# Allegro board BeagleBone_Black_RevB3_NO_LOGO.brd (continued)
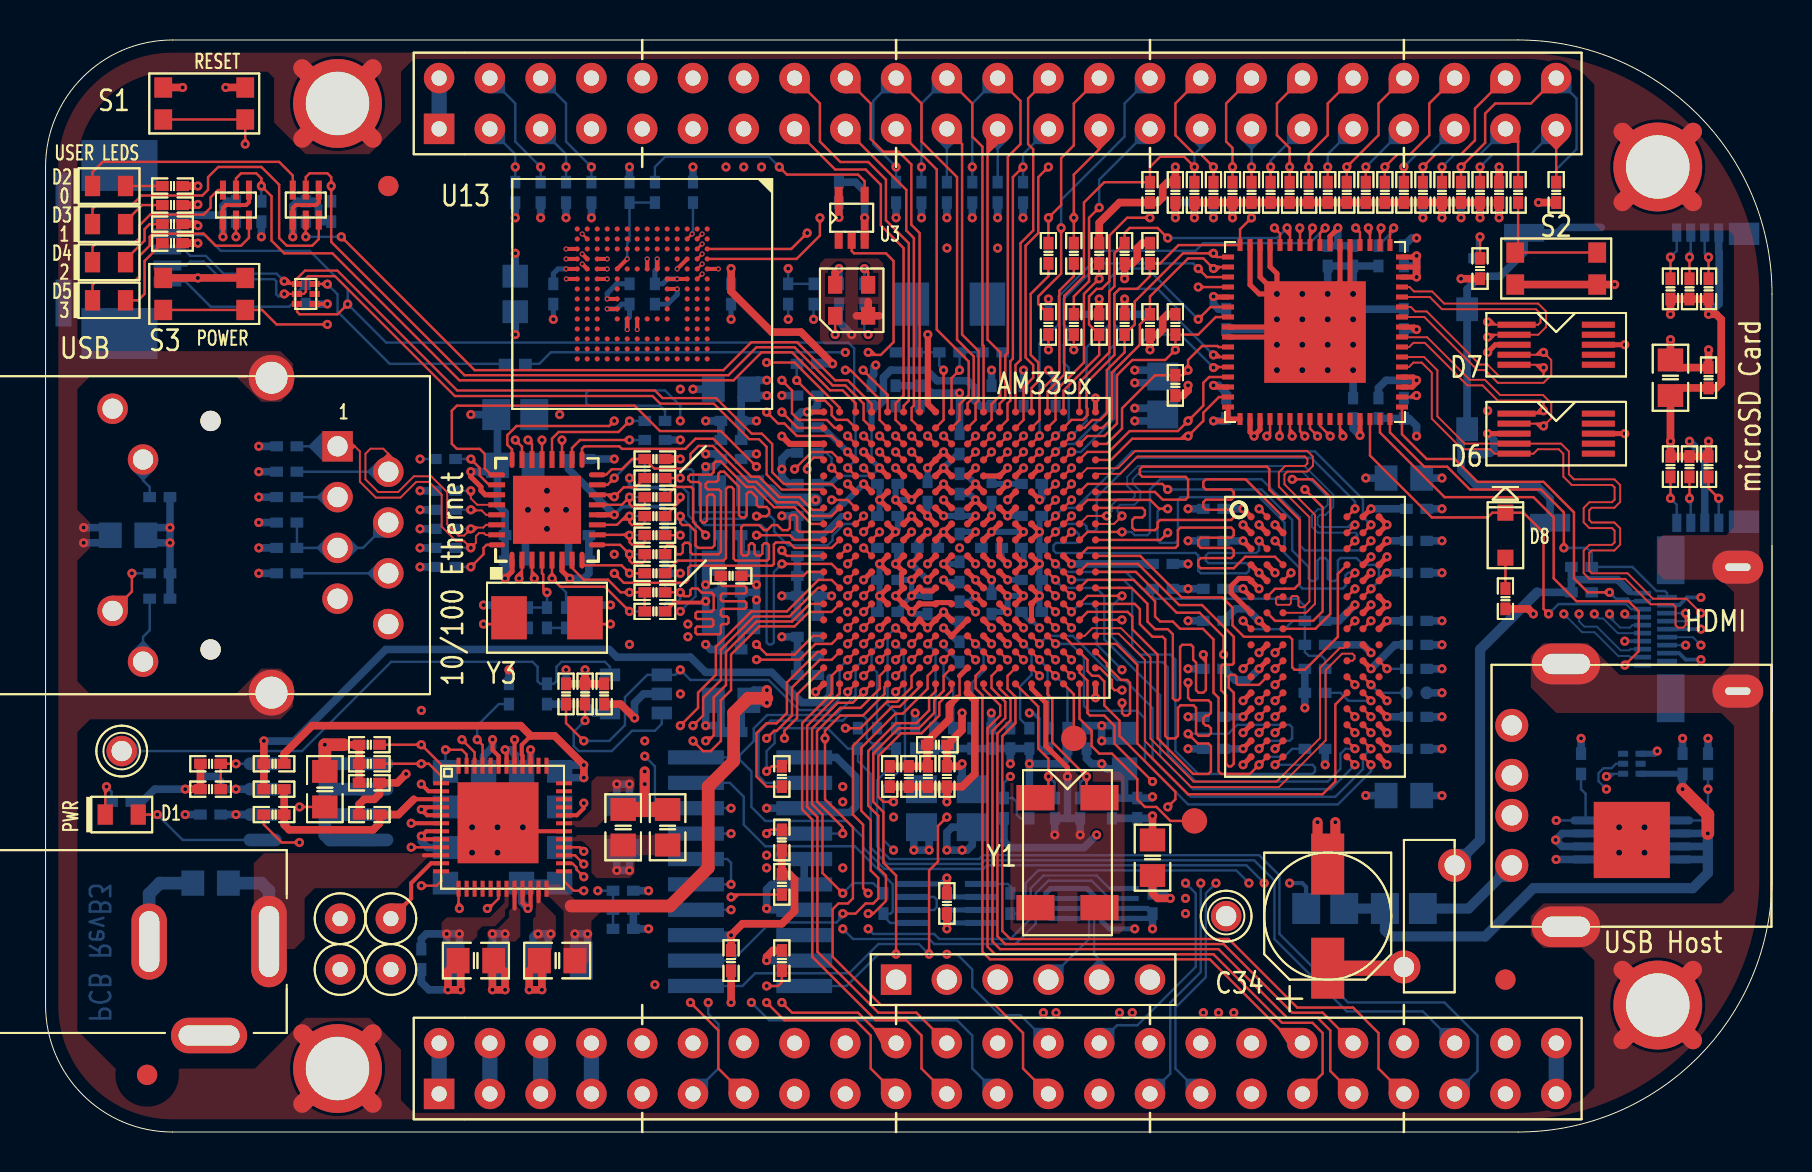
[diagram p0: board, top side]
## Routing (per net, layer and track width the routed paths; a pad name or vN(x,y) marks a point on that pad's centre or on a via; arc(x,y) is an arc through that point) (continued)
  LYR4 w0.381: v1(70.8,45.72) 70.17,45.09 70.17,39.56 73.34,36.39 73.34,22.29 75.18,20.45 82.4,20.45 v1(83.16,19.68)
  BOTTOM w0.254: U6.7 45.09,11.1 ; 45.09,11.1 45.09,10.45 ; 45.09,11.1 45.09,11.56 45.28,11.76 U6.6 ; 45.09,10.45 U6.8 ; 45.09,10.45 v1(45.09,10.16)
  BOTTOM w0.305: v1(40.92,32.41) 39.92,31.41 39.81,31.41 39.21,30.81 C87.1 ; v1(44.92,33.21) 45.61,33.9 C56.2 ; C72.2 45.43,25.5 v1(44.92,26.01) ; v1(41.72,28.41) 41.72,27.72 C60.2 41.72,27.5 v1(41.72,26.81) 41.72,26.12 C70.2 ; C66.1 42.63,30.12 v1(42.52,30.01)
  BOTTOM w0.381: R69.1 v1(70.8,45.72) ; R69.1 R68.1 R67.1 ; R69.1 R70.1 C61.2 v1(72.71,45.72) ; C73.2 49.83,31.72 v1(49.72,31.61) ; R1.1 v1(23.18,23.11) ; v1(36.08,37.59) 35.62,37.59 C77.1 ; C159.1 v1(39.69,43.18) ; C15.2 21.91,18.8 22.36,19.25 v1(22.36,19.62) ; R55.1 R59.1 R57.1 R58.1 R60.1 R61.1 R62.1 R63.1 R64.1 R65.1 R66.1 R67.1 ; R55.1 v1(58.42,45.72) ; R55.1 R56.1 C57.2 v1(56.52,45.72) ; R67.1 v1(68.9,45.72) ; R14.1 v1(30.16,12.06) ; C38.1 C67.1 ; C67.1 34.8,36.77 C77.1 ; C67.1 v1(35.56,35.56) ; v1(39.69,45.73) C158.1 ; C71.2 v1(36.83,36.83) ; C77.1 35.5,36.83 v1(36.08,36.83) ; v1(26.99,23.11) 26.99,21.4 ; 26.99,21.4 27.43,20.95 U7.4 ; 26.99,21.4 C152.1 R156.1 ; C59.1 v1(43.5,20.95) ; R52.1 v1(83.16,19.68)
VDD_3V3AUX: length 25.4
  TOP w0.121: C18.1 v1(18.8,18.41) 19.18,18.41 19.79,17.81 U2.1 ; D1.2 v1(5.59,15.88)
  LYR3 w0.133: v1(5.59,15.88) 5.59,17.02 6.35,17.78 10.54,17.78 11.18,18.41 v1(18.8,18.41)
  BOTTOM w0.121: v1(5.59,15.88) 6.86,14.61 10.86,14.61
VDD_3V3B: length 122.9
  TOP w0.203: U13.F5 v2(30.6,43.66) ; v2(26.04,44.16) U13.P3 ; U13.J10 v2(29.09,40.13) ; U13.N4 v2(26.85,43.91) ; v2(26.04,43.16) U13.P5 ; U13.C6 v2(31.6,42.66) U13.E6 ; U13.K9 v2(28.09,41.16) ; U13.M4 v2(28.09,43.66)
  TOP w0.254: U14.12 28,30.87 v1(28.45,30.87)
  TOP w0.381: 36.83,14.1 R23.1 37.21,12.89 37.47,12.64 37.47,11.05 36.83,10.41 34.86,10.41 v1(34.29,9.84) C29.1 ; v1(81.28,40.89) R150.1 R155.1 R151.1 v1(83.19,40.89) 83.57,40.89 83.82,40.64 83.82,37.46 83.57,37.21 C154.1 81.66,37.21 C153.1 v1(81.28,34.54) R154.1 R153.1 R152.1 v1(83.19,34.54) ; R119.1 v1(31.75,33.66) ; v1(39.37,38.42) 37.78,40.01 36.32,40.01 34.29,42.04 v1(34.29,43.18) ; v1(74.42,25.91) 74.17,26.16 R166.2 ; R157.2 v1(70.8,42.67)
  LYR3 w0.381: v1(34.29,9.84) 35.03,9.1 41.11,9.1 42.8,10.79 54.74,10.79 v1(55.37,10.16)
  LYR4 w0.381: v1(55.37,10.16) 52.58,12.95 v1(52.58,14.86)
  LYR5_PWR w0.889: P9.4 22.96,5.18 ; P9.4 21.49,3.71 ; P9.4 22.96,3.71 ; P9.4 21.49,5.18 ; 21.49,2.64 P9.3 22.96,2.64
  BOTTOM w0.191: R112.2 30.99,31.15 30.86,31.27 28.86,31.27 v1(28.45,30.87)
  BOTTOM w0.254: v2(31.6,42.66) 31.11,42.66 30.87,42.42 C129.1 30.48,43.06 30.6,43.18 v2(30.6,43.66) ; v2(28.09,41.16) 28.57,41.16 28.82,41.4 C128.1 29.21,40.76 29.09,40.64 v2(29.09,40.13) ; U15.7 55.11,11.18 C155.2 55.13,10.68 U15.8 ; C130.1 v1(34.29,43.18) ; v2(26.04,43.16) 25.63,43.16 25.4,42.93 C127.1
  BOTTOM w0.381: P2.5 v1(34.29,9.84) ; R106.1 v1(43.81,45.72) ; R101.1 v1(48.9,45.72) ; R114.2 R112.2 ; P10.4 83.7,43.99 83.71,43.97 83.71,41.42 v1(83.19,40.89) ; 10.86,17.14 v1(9.53,17.14) C20.1 8.76,17.53 8.51,17.78 8,17.78 7.75,18.03 R11.1 ; R105.1 v1(47.62,45.72) ; C135.1 26.16,33.15 v1(28.45,30.87) ; v1(52.58,14.86) 51.94,14.22 48.26,14.22 47.94,14.54 R163.1 ; R119.1 v1(31.75,33.66) ; R109.1 v1(42.55,45.72) ; R108.1 v1(24.77,45.72) ; R107.1 v1(23.5,45.72) ; C126.2 v1(23.5,43.94) ; v1(39.37,38.42) R158.1 ; R102.1 v1(46.35,45.72) ; R103.1 v1(26.04,45.72) ; R111.1 v1(29.21,48.26) ; R110.1 v1(45.09,45.72) ; R104.1 v1(27.3,45.72) ; C155.2 v1(55.37,10.16)
  BOTTOM w0.762: P9.3 P9.4
  vias: v1(25.72,35.88)
VDD_5V: length 25.5
  TOP w0.203: U2.10 18.92,13.84
  LYR4 w0.762: P1.1 11.18,6.73 11.81,6.1 23.11,6.1 P9.6
  BOTTOM w0.635: C2.2 10.79,12.45 11.18,12.06 P1.1
  BOTTOM w0.762: P9.5 P9.6
VDD_ADC: length 31.5
  TOP w0.254: v1(47.32,24.41) U5.D8
  TOP w0.381: v1(45.85,20.95) 45.84,20.95 45.84,20.09 R27.1 45.09,19.34 C93.1 45.72,18.29 v1(45.85,18.41)
  LYR3 w0.381: v1(45.85,20.95) 45.85,24.64 46.23,25.02 46.71,25.02 v1(47.32,24.41)
  LYR4 w0.381: v1(45.85,18.41) 45.85,17.65 54.1,9.4 56.13,9.4 57.15,8.38 57.15,5.08 P9.32
  BOTTOM w0.381: v1(45.85,18.41) 45.85,17.65 46.35,17.14 FB2.1
VDD_CORE: length 57.4
  TOP w0.254: U5.N12 v1(43.32,31.61) U5.N13 ; U5.M11 v1(44.92,30.81) ; U5.J12 v1(43.32,28.41) ; U5.G6 v1(48.92,26.81) U5.F6 ; U5.K6 v1(48.92,30.01) U5.L6 ; U5.N8 v1(46.52,32.41) U5.N9 ; U5.L7 v1(47.32,30.01) U5.K8 ; U5.H11 v1(44.12,27.61) ; U5.G10 v1(44.92,27.61) ; v1(48.12,26.81) U5.G7 ; v1(46.52,30.81) U5.L9 ; U5.F7 v1(48.12,26.01) ; v1(47.32,30.81) U5.L8 ; U5.K12 v1(44.12,30.01) ; U5.M13 v1(42.52,31.61)
  LYR4 w0.508: 32.13,25.15 31.5,25.15 31.11,24.77 31.11,23.37 30.73,22.99 30.73,19.18 31.11,18.8 31.11,14.99 v1(29.21,13.08) v1(28.57,13.08) ; 32.13,25.15 v1(32.13,24.77) ; 32.13,25.15 v1(32.13,25.4)
  BOTTOM w0.305: C50.1 47.43,26.01 v1(48.12,26.01) v1(48.12,26.81) v1(48.92,26.81) ; C49.1 45.03,27.5 v1(44.92,27.61) ; v1(46.52,30.81) 45.83,30.81 C47.1 45.61,30.81 v1(44.92,30.81) ; v1(48.92,30.01) v1(47.32,30.01) U5.K8 46.92,29.32 C48.1 ; C45.1 38.73,29.91 38.93,29.91 39.83,30.81 v1(40.12,30.81) ; C43.1 v1(47.32,30.81) ; v1(44.12,30.01) 43.61,29.5 C46.1 43.61,28.7 v1(43.32,28.41) v1(44.12,27.61) ; C41.1 42.52,32.3 v1(42.52,31.61) v1(43.32,31.61) ; C42.1 45.83,32.81 46.12,32.81 v1(46.52,32.41)
  BOTTOM w0.381: C44.1 C54.1 v1(39.32,26.81) ; C53.1 34.8,25.15 C39.2 ; C52.1 34.8,28.07 C40.2 ; C52.1 35.56,26.99 ; C52.1 34.8,25.91 C39.2 ; 35.56,26.99 v1(35.56,26.61) 35.56,25.91 C39.2 ; 35.56,26.99 v1(35.56,27.37) 35.56,28.07 C40.2 ; C51.1 34.8,28.83 C40.2 ; 29.21,13.78 L3.2 28.57,13.78 v1(28.57,13.08) v1(29.21,13.08) 29.21,13.78
VDD_MPU: length 34.3
  TOP w0.254: U5.F10 45.25,26.48 44.59,26.48 U5.F11 U5.F12 v1(43.32,26.01) U5.F13 v1(42.52,26.81) U5.G13 42.81,27.32 42.81,27.9 U5.H13 v1(42.52,28.41) U5.J13
  TOP w0.508: v1(36.08,21.46) v1(36.08,22.1)
  TOP w0.635: 26.29,11.3 31.24,11.3 33.15,13.21 33.15,17.27 34.42,18.54 34.42,20.95 35.15,21.69 36.08,21.69
  BOTTOM w0.305: C63.1 43.43,25.9 v1(43.32,26.01)
  BOTTOM w0.381: C65.1 42.63,28.52 v1(42.52,28.41) ; C62.2 35.31,21.46 v1(36.08,21.46) v1(36.08,22.1) 35.43,22.1 35.18,21.84 C62.2 ; C62.2 34.8,21.21 C64.1 ; v1(27.11,9.91) 27.11,8.89 L2.2 26.48,8.89 v1(26.48,9.91) v1(27.11,9.91)
VDD_MPUON: length 10.6
  TOP w0.121: U5.A2 51.72,20.67 52.32,20.07 52.32,19.3 52.7,18.92 53.34,18.92 54.61,17.65 54.61,16.64 54.99,16.26 55.57,16.26 56.27,15.56 TP2.1
VDD_PHYA: length 18.1
  TOP w0.254: U14.27 22,31.87 21.78,32.08 21.78,32.26 21.27,32.77 v1(21.27,33.02) ; U14.1 23.33,28.03 v1(22.99,27.69)
  BOTTOM w0.381: v1(21.27,33.02) 22.29,33.02 C133.2 ; R137.2 v1(10.67,29.21) ; R120.2 v1(18.73,29.21) ; C133.2 22.61,35.82 FB4.2 v1(21.27,35.88) ; C133.2 22.61,31.37 22.99,30.99 C132.1 C131.1 v1(22.99,27.69) ; R123.2 v1(18.73,32.07) ; R121.2 v1(18.73,30.16) ; R122.2 v1(18.73,31.11)
VDD_PLL: length 15
  TOP w0.254: U5.H15 v1(40.92,27.61) ; U5.R10 45.32,33.62 v1(44.92,34.01) U5.R11 v1(44.12,33.21) ; v1(48.12,25.21) U5.E7
  LYR3 w0.381: v1(38.52,31.61) 39.08,31.05 39.51,31.05 39.85,31.39 39.85,31.62 40.11,31.88 41.14,31.88 41.22,31.96 41.23,31.96 41.66,32.38 43.29,32.38 v1(44.12,33.21) v1(44.92,34.01)
  BOTTOM w0.305: C94.1 v1(44.12,33.21)
  BOTTOM w0.635: v1(38.52,31.61) 36.72,31.61 36.26,32.07 FB1.2
VDD_RTC: length 5.4
  TOP w0.254: v1(48.92,24.41) U5.D6
  BOTTOM w0.121: v1(48.92,24.41) 49.32,24.01 49.32,23.54 49.32,22.86 48.75,22.29 48.75,20.66 C104.1
VDDS: length 56.7
  TOP w0.254: U5.E6 v1(48.92,25.21) ; v1(41.72,33.21) U5.P14 ; v1(43.32,30.01) U5.K13 ; v1(46.52,33.21) U5.P9 ; U5.N6 v1(48.12,31.61) ; U5.E14 v1(41.72,25.21) ; v1(46.52,26.01) U5.F9
  TOP w0.381: R8.2 R9.1 v1(10.92,19.56)
  LYR5_PWR w0.305: v1(45.72,29.21) 45.41,29.52 43.81,29.52 v1(43.32,30.01)
  BOTTOM w0.121: 41.32,35.26 41.32,33.61 ; v1(41.72,33.21) 41.4,32.89 41.17,32.89 41.09,32.81 39.67,32.81
  BOTTOM w0.254: 39.67,32.81 39.27,32.41 C84.1 ; 41.32,33.61 v1(41.72,33.21)
  BOTTOM w0.305: C80.1 41.32,35.91 41.32,35.91 41.32,35.26
  BOTTOM w0.381: C81.1 46.76,36.3 46.48,36.58 46.48,37.21 46.12,37.57 44.6,37.57 44.07,38.1 42.28,38.1 41.91,37.73 41.91,36.58 41.64,36.3 C80.1 ; v1(10.92,19.56) 10.93,19.55 12.44,19.55 17.02,24.13 28.19,24.13 28.57,23.75 32.26,23.75 33.02,22.99 36.32,22.99 37.83,21.48 38.88,21.48 39.24,21.84 39.24,22.73
  vias: v1(40.12,26.01)
VDDS_DDR: length 56.4
  TOP w0.254: v1(67.1,27.97) U12.E9 ; v1(59.9,27.17) U12.F1 ; v1(67.1,29.57) U12.C9 ; U5.K5 v1(49.72,30.01) U5.L5 ; v1(60.7,30.37) U12.B2 ; U5.H5 v1(49.72,28.41) U5.J5 ; v1(65.5,26.37) U12.G7 ; v1(66.3,31.17) U12.A8 ; U5.G5 v1(49.72,26.81) U5.F5 U5.E5 ; v1(59.9,20.76) U12.N1 ; v1(67.1,28.77) U12.D9 ; v1(61.5,27.97) U12.D2 ; v1(67.1,25.57) U12.H9 ; v1(59.9,31.17) U12.A1 ; v1(60.7,23.16) U12.K2 ; v1(59.9,29.57) U12.C1 ; v1(66.3,23.16) U12.K8 ; v1(67.1,20.76) U12.N9 ; v1(60.7,25.57) U12.H2 ; v1(59.9,19.16) U12.R1 ; v1(67.1,19.16) U12.R9
  TOP w0.381: C96.2 v1(55.37,15.81) ; v1(20.76,7.11) v1(20.13,7.11) 20.13,8.06 C9.2 20.76,8.45 v1(20.76,7.11)
  BOTTOM w0.305: C97.1 49.72,30.7 v1(49.72,30.01) 49.72,29.32 C98.1 49.72,29.1 v1(49.72,28.41) 49.72,27.72 C99.1 49.72,27.5 v1(49.72,26.81) 49.72,26.12 C100.1
  BOTTOM w0.381: C101.1 52.2,20.32 v1(52.83,20.32) ; C113.1 v1(59.9,19.16) ; v1(67.1,20.76) C120.1 ; v1(67.1,27.97) C116.1 ; C118.2 v1(66.04,32.7) ; v1(59.9,20.76) C112.1 ; R6.2 18.8,7.49 19.18,7.11 v1(20.13,7.11) v1(20.76,7.11) ; R98.1 64.7,25.57 v1(65.5,26.37) ; C114.1 v1(66.3,31.17) ; v1(60.7,25.57) 60.1,26.16 59.52,26.16 C110.1 ; R97.1 v1(64.01,18.36) ; v1(55.37,15.81) 55.24,15.68 C103.1 C102.1 ; v1(66.3,23.16) 67.5,24.36 C119.1 ; v1(59.9,29.57) C108.1 ; v1(67.1,29.57) C115.1 ; v1(52.83,20.32) v1(52.83,19.56) 53.59,19.56 C95.2 53.59,20.32 v1(52.83,20.32) ; v1(60.7,23.16) 60.14,22.61 59.49,22.61 C111.1 ; C109.1 v1(59.9,27.17) ; v1(67.1,19.16) C121.1 ; C122.2 v1(66.04,16.83) ; C107.1 v1(59.9,31.17) ; v1(67.1,25.57) C117.1
  vias: v1(49.91,5.97) v1(50.55,5.97) v1(53.72,5.97) v1(54.36,5.97) v1(57.91,5.97) v1(58.67,5.97) v1(59.44,5.97)
12M_LOOP: length 2.9
  BOTTOM w0.121: U6.3 44.45,11.76 44.58,11.63 44.58,11.23 44.45,11.1 U6.2
12MHZ: length 50.9
  TOP w0.121: U11.27 64.75,34.95 v1(64.9,34.8)
  LYR4 w0.133: v1(60.2,12.45) 61.98,14.22 66.36,14.22 69.41,17.27 70.48,17.27 71.37,18.16 71.37,33.15 69.22,35.31 65.41,35.31 v1(64.9,34.8)
  BOTTOM w0.121: v1(60.2,12.45) 59.56,13.08 49.66,13.08 49.02,12.45 49.02,11.18 48.77,10.92 R21.2
AIN0: length 38.3
  TOP w0.121: P9.39 66.67,3.17 66.67,4.95 65.41,6.22 62.61,6.22 59.18,9.65 48.26,9.65 47.86,10.05 47.86,19.79 48.51,20.45 48.51,21.77 48.12,22.16 48.12,22.81 U5.B6
AIN1: length 31.2
  TOP w0.121: v1(48.12,23.61) U5.C7
  LYR4 w0.133: v1(48.12,23.61) 48.51,23.22 48.51,20.95 51.28,18.19 51.29,18.19 51.56,17.91 51.56,17.53 54.1,14.99 54.1,12.7 60.71,6.1 66.29,6.1 P9.40
AIN2: length 36.8
  TOP w0.121: P9.37 64.26,3.05 64.26,5.08 63.63,5.71 62.1,5.71 58.67,9.14 47.75,9.14 47.36,9.53 47.36,20.06 48.01,20.7 48.01,21.51 47.32,22.2 47.32,22.81 U5.B7
AIN3: length 33.1
  TOP w0.121: P9.38 63.88,5.97 62.36,5.97 58.93,9.4 48.01,9.4 47.61,9.79 47.61,19.93 48.27,20.58 48.27,21.63 47.72,22.18 U5.A7
AIN4: length 28.7
  TOP w0.121: U5.C8 v1(47.32,23.61)
  LYR4 w0.133: v1(47.32,23.61) 48.13,22.8 48.13,20.83 50.67,18.29 50.67,17.56 53.72,14.52 53.72,12.57 61.59,4.7 61.59,3.17 P9.33
AIN5: length 32.4
  TOP w0.121: P9.36 62.43,4.45 58.24,8.64 47.24,8.64 46.86,9.02 46.86,21.84 46.52,22.19 46.52,22.81 U5.B8
AIN6: length 35.8
  TOP w0.121: P9.35 63.88,2.92 63.88,4.95 63.37,5.46 61.85,5.46 58.42,8.89 47.5,8.89 47.12,9.27 47.12,20.19 47.75,20.83 47.75,21.34 46.92,22.17 U5.A8
AIN7: length 10.4
  TOP w0.121: U5.C9 v1(46.52,23.61)
  LYR4 w0.133: v1(46.52,23.61) 47.75,22.38 47.75,18.29 v1(48.26,17.78)
  BOTTOM w0.121: v1(48.26,17.78) 47.94,17.46 R163.2 48.39,16.7 48.58,16.51 48.58,15.88 48.77,15.68 R164.1
B_UART0_RX: length 5.3
  BOTTOM w0.121: J1.4 52.2,9.65 52.2,10.92 51.94,11.18 U15.2
B_UART0_TX: length 5.2
  BOTTOM w0.121: U15.3 51.95,11.68 52.45,11.18 52.45,8.89 52.7,8.64 J1.5
CAP_VBB_MPU: length 4.2
  TOP w0.121: U5.C10 44.93,23.62 v1(44.92,23.61)
  BOTTOM w0.121: C91.1 45.4,22.42 44.92,22.9 v1(44.92,23.61)
CAP_VDD_SRAM_CORE: length 5.2
  TOP w0.121: U5.D9 v1(46.52,24.41)
  BOTTOM w0.121: C89.1 46.35,22.48 46.92,23.04 46.92,24.01 v1(46.52,24.41)
CAP_VDD_SRAM_MPU: length 5
  TOP w0.121: v1(44.12,24.41) U5.D11
  BOTTOM w0.121: C90.1 44.52,20.26 44.52,24.01 v1(44.12,24.41)
CLKOUT2: length 57.6
  BOTTOM w0.121: P9.41 71.63,3.05 71.63,4.83 69.98,6.48 65.15,6.48 61.72,9.91 61.72,12.83 60.71,13.84 46.89,13.84 46.7,13.65 42.23,13.65 41.59,14.29 41.59,17.59 42.55,18.54 R20.1 R19.2 41.08,19.68 41.08,20.64 40.89,20.83 40.13,20.83 39.88,20.57 36.26,20.57 35.67,19.98 35.67,17.8 36,17.46 P2.18
CLKOUT_SRC: length 5.1
  TOP w0.121: U5.D14 v1(41.72,24.41)
  BOTTOM w0.121: v1(41.72,24.41) 41.32,24.01 41.32,23.26 41.59,22.99 R19.1
CRS: length 2.8
  TOP w0.121: U14.14 28.35,31.87 v1(28.45,31.76) 28.92,32.24 29.51,32.24 R139.2
DDR_A0: length 23.9
  TOP w0.121: U5.F3 v1(51.32,26.01) ; v1(61.5,20.76) U12.N3
  LYR3 w0.133: v1(61.5,20.76) 61.82,21.08 61.98,21.08 62.36,20.7 62.36,17.91 61.59,17.14 57.02,17.14 54.86,19.3 54.86,19.56 53.21,21.21 53.21,22.99 53.34,23.11 v1(53.85,23.11)
  BOTTOM w0.121: v1(51.32,26.01) 51.73,26.42 52.32,26.42 52.58,26.16 52.58,24.38 v1(53.85,23.11)
DDR_A1: length 24.1
  TOP w0.121: v1(58.93,23.88) 58.93,24.77 57.72,25.97 56.58,25.97 54.54,28.01 U5.H1 ; v1(65.5,19.96) U12.P7
  LYR3 w0.121: 61.67,23.57 60.5,23.57 60.2,23.87
  LYR3 w0.133: v1(65.5,19.96) 65.14,20.32 64.9,20.32 64.77,20.19 64.77,19.68 64.64,19.56 64.39,19.56 64.26,19.68 64.26,20.19 64.14,20.32 64.01,20.32 63.88,20.19 63.88,19.3 64.01,19.18 64.39,19.18 64.52,19.05 64.52,18.9 64.39,18.77 63.63,18.77 63.5,18.9 63.5,20.45 63.88,20.83 63.88,21.84 62.61,23.11 62.23,23.11 61.78,23.57 61.67,23.57 ; v1(58.93,23.88) 58.93,23.87 60.2,23.87
DDR_A2: length 23.9
  TOP w0.121: U5.E4 v1(50.52,25.21) ; v1(61.5,19.96) U12.P3
  LYR3 w0.121: 61.1,22.09 61.1,20.36 v1(61.5,19.96)
  LYR3 w0.133: 61.1,22.09 60.83,22.35 59.44,22.35 59.05,21.97 56.77,21.97 56.64,22.1 56.64,23.5 56.77,23.62 57.4,23.62 57.51,23.72 57.51,24.16 57.4,24.26 56.77,24.26 56.64,24.38 56.64,25.4 54.72,27.32 54.5,27.32 54.26,27.08 54.26,26.9 55.12,26.04 55.12,25.15 54.36,24.38 51.12,24.38 50.52,24.98 v1(50.52,25.21)
DDR_A3: length 24
  TOP w0.121: v1(60.7,20.76) U12.N2 ; v1(51.32,23.61) U5.C3
  LYR3 w0.121: 59.61,21.16 60.3,21.16 v1(60.7,20.76)
  LYR3 w0.133: 59.61,21.16 59.56,21.21 56.01,21.21 55.88,21.34 55.88,24.43 55.8,24.51 55.58,24.51 55.5,24.43 55.5,22.2 55.42,22.12 55.07,22.12 54.99,22.05 54.99,21.67 54.91,21.59 54.69,21.59 54.61,21.67 54.61,22.05 54.53,22.12 54.37,22.12 54.29,22.2 54.29,22.4 54.37,22.48 55.04,22.48 55.12,22.56 55.12,22.78 55.04,22.86 54.37,22.86 54.29,22.94 54.29,23.16 54.37,23.24 55.04,23.24 55.12,23.32 55.12,23.53 55.04,23.61 52.96,23.61 52.83,23.48 52.83,22.35 52.7,22.23 52.45,22.23 52.32,22.35 52.32,23.48 52.2,23.61 v1(51.32,23.61)
DDR_A4: length 23.9
  TOP w0.121: v1(66.3,19.96) U12.P8 ; v1(56.13,16.26) 56.52,16.64 56.52,17.02 53.72,19.81 53.72,20.57 52.96,21.34 52.96,22.53 52.68,22.81 52.36,22.81 52.12,23.05 52.12,23.61 U5.C2
  LYR3 w0.121: 65.28,19.56 65.9,19.56 v1(66.3,19.96)
  LYR3 w0.133: 65.28,19.56 65.02,19.3 65.02,17.02 64.77,16.76 63.12,16.76 62.36,16 56.39,16 v1(56.13,16.26)
DDR_A5: length 23.9
  TOP w0.121: U5.B1 52.74,23.21 53.34,22.61 53.34,22.23 53.47,22.1 v1(53.85,22.1) ; v1(60.7,19.96) U12.P2
  LYR3 w0.121: 61.09,18.16 61.1,18.17 61.1,19.56 v1(60.7,19.96)
  LYR3 w0.133: v1(53.85,22.1) 54.29,21.65 54.29,21.2 54.54,20.95 55.17,20.95 55.24,21.03 55.24,21.64 55.32,21.72 55.55,21.72 55.63,21.64 55.63,19.68 55.75,19.56 56.01,19.56 56.13,19.68 56.13,20.7 56.26,20.83 56.52,20.83 56.64,20.7 56.64,18.54 56.9,18.29 57.53,18.29 57.66,18.41 57.66,20.7 57.78,20.83 59.18,20.83 59.31,20.7 59.31,18.03 59.44,17.91 60.83,17.91 61.09,18.16
DDR_A6: length 24.1
  TOP w0.121: v1(66.3,19.16) U12.R8 ; v1(49.72,24.41) U5.D5
  BOTTOM w0.121: v1(49.72,24.41) 50.12,24.81 51.39,24.81 53.59,22.61 53.98,22.61 55.37,21.21 55.37,18.67 57.28,16.76 64.52,16.76 65.9,18.15 65.9,18.76 v1(66.3,19.16)
DDR_A7: length 24.1
  TOP w0.121: v1(57.15,19.91) 57.63,19.43 58.17,19.43 58.29,19.3 58.29,18.03 58.17,17.91 57.4,17.91 55.63,19.68 55.63,23.88 54.36,25.15 54.36,25.78 54.13,26.01 52.12,26.01 U5.E2 ; v1(60.7,19.16) U12.R2
  BOTTOM w0.121: v1(60.7,19.16) U12.R2 62.23,19.56 62.36,19.69 62.36,20.24 62.23,20.36 59.61,20.36 59.16,19.91 v1(57.15,19.91)
DDR_A8: length 23.9
  TOP w0.121: v1(50.52,24.41) U5.D4 ; v1(66.3,18.36) U12.T8
  BOTTOM w0.121: v1(50.52,24.41) 51.28,24.41 51.94,23.75 51.94,21.31 52.19,21.06 54.61,21.06 54.99,20.68 54.99,18.54 57.15,16.38 64.64,16.38 66.3,18.04 v1(66.3,18.36)
DDR_A9: length 24
  TOP w0.121: v1(53.85,21.46) 53.85,20.95 53.97,20.83 54.13,20.83 54.25,20.95 54.25,22.46 54.1,22.61 53.79,22.61 53.09,23.31 53.09,23.44 U5.C1 ; v1(61.5,19.16) U12.R3
  LYR3 w0.133: v1(61.5,19.16) 61.5,19.43 61.63,19.56 61.85,19.56 61.98,19.43 61.98,18.03 61.47,17.53 58.93,17.53 58.8,17.65 58.8,20.32 58.67,20.45 58.29,20.45 58.17,20.32 58.17,17.65 58.04,17.53 57.15,17.53 55.24,19.43 55.24,20.32 54.99,20.57 54.36,20.57 53.85,21.08 v1(53.85,21.46)
DDR_A10: length 24
  TOP w0.121: U5.F4 v1(50.52,26.01) ; v1(65.5,22.36) U12.L7
  LYR3 w0.121: 51.68,26.41 50.92,26.41 v1(50.52,26.01)
  LYR3 w0.133: 51.68,26.41 52.2,26.92 52.2,28.32 52.58,28.71 55.75,28.71 56.83,27.62 57.72,27.62 59.31,26.04 62.36,26.04 64.39,24 65.66,24 65.79,23.88 65.79,23.62 65.66,23.5 64.77,23.5 64.64,23.37 64.64,23.11 64.77,22.99 65.66,22.99 65.79,22.86 65.79,22.65 v1(65.5,22.36)
DDR_A11: length 23.9
  TOP w0.121: v1(53.85,26.81) 52.12,26.81 U5.F2 ; v1(65.5,19.16) U12.R7
  BOTTOM w0.121: v1(53.85,26.81) 53.34,26.3 53.34,24.77 54.61,23.5 55.88,23.5 56.13,23.24 56.13,18.92 57.53,17.53 64.14,17.53 64.77,18.16 64.77,18.91 65.02,19.16 v1(65.5,19.16)
DDR_A12: length 24.1
  TOP w0.121: v1(65.5,20.76) U12.N7 ; v1(51.32,25.21) U5.E3
  LYR3 w0.133: v1(51.32,25.21) 51.38,25.15 54.1,25.15 54.36,25.4 54.36,25.78 54.1,26.04 53.21,26.04 52.96,26.29 52.96,27.69 53.21,27.94 55.12,27.94 56.64,26.42 57.91,26.42 59.56,24.77 61.22,24.77 61.47,25.02 62.23,25.02 63.88,23.37 63.88,22.38 v1(65.5,20.76)
DDR_A13: length 24
  TOP w0.121: v1(61.5,18.36) U12.T3 ; U5.H3 v1(51.32,27.61)
  BOTTOM w0.121: v1(61.5,18.36) 63.37,18.36 63.5,18.24 63.5,18.03 63.37,17.91 57.66,17.91 56.52,19.05 56.52,23.62 56.26,23.88 54.74,23.88 54.36,24.26 54.36,27.18 53.92,27.61 v1(51.32,27.61)
DDR_A14: length 24
  TOP w0.121: v1(65.5,18.36) U12.T7 ; v1(50.52,27.61) U5.H4
  BOTTOM w0.121: v1(65.5,18.36) 64.28,17.14 57.4,17.14 55.75,18.8 55.75,21.84 52.96,24.64 52.96,26.8 52.55,27.21 50.9,27.21 50.52,27.58 v1(50.52,27.61)
DDR_A15: length 24.1
  TOP w0.121: U5.D3 51.32,24.41 53.57,24.41 54.61,23.37 54.61,19.43 57.15,16.89 63.88,16.89 64.52,17.53 64.52,21.38 U12.M7
DDR_BA0: length 24.1
  TOP w0.121: U5.C4 v1(50.52,23.61) ; v1(60.7,21.56) U12.M2
  LYR3 w0.121: v1(50.52,23.61) 50.25,23.61 50.12,23.48 50.12,22.48 ; 50.92,23.74 50.92,22.48
  LYR3 w0.133: 50.12,22.48 50.12,21.46 50.25,21.34 50.42,21.34 50.55,21.46 50.55,21.84 50.67,21.97 50.93,21.97 51.05,21.84 51.05,21.46 51.18,21.34 51.44,21.34 51.56,21.46 51.56,22.23 51.44,22.35 51.05,22.35 50.92,22.48 ; 50.92,23.74 50.92,23.89 51.05,24.02 54.5,24.02 55.5,25.02 55.5,25.65 55.6,25.75 55.78,25.75 56.26,25.27 56.26,21.97 56.64,21.59 59.18,21.59 59.56,21.97 60.57,21.97 60.7,21.84 v1(60.7,21.56)
DDR_BA1: length 24.1
  TOP w0.121: U5.E1 v1(53.85,25.61) ; v1(66.3,20.76) U12.N8
  LYR3 w0.133: v1(53.85,25.61) 52.62,25.61 52.32,25.91 52.32,26.29 52.58,26.54 52.58,28.07 52.83,28.32 55.37,28.32 56.93,26.76 58.08,26.76 59.69,25.15 61.09,25.15 61.21,25.27 61.21,25.53 61.34,25.65 62.1,25.65 64.23,23.52 64.23,22.63 65.05,21.82 65.66,21.82 65.82,21.65 65.82,21.24 v1(66.3,20.76)
DDR_BA2: length 24.1
  TOP w0.121: v1(51.32,22.81) U5.B3 ; v1(61.5,21.56) U12.M3
  LYR3 w0.133: v1(61.5,21.56) 61.98,21.56 62.1,21.69 62.1,22.1 62.23,22.23 62.48,22.23 62.74,21.97 62.74,21.59 62.48,21.34 62.48,21.08 62.74,20.83 62.74,17.53 61.98,16.76 56.9,16.76 54.48,19.18 54.48,19.43 52.7,21.21 52.51,21.21 52.39,21.08 52.39,20.83 52.26,20.7 52.07,20.7 51.94,20.83 51.94,22.99 51.82,23.11 51.63,23.11 v1(51.32,22.81)
DDR_CASN: length 24
  TOP w0.121: v1(57.15,22.48) 57.15,21.72 57.28,21.59 58.17,21.59 58.29,21.46 58.29,20.95 58.17,20.83 58.04,20.83 57.91,20.7 57.91,20.45 58.04,20.32 58.17,20.32 58.29,20.19 58.29,19.94 58.17,19.81 57.68,19.81 57.55,19.94 57.55,21.21 57.42,21.34 56.77,21.34 56.64,21.21 56.64,19.81 56.52,19.68 56.13,19.68 56.01,19.81 56.01,24.64 55.88,24.77 55.37,24.77 54.74,25.4 54.74,26.16 54.48,26.41 U5.F1 ; v1(61.5,23.16) U12.K3
  LYR3 w0.133: v1(61.5,23.16) 61.07,22.73 59.31,22.73 59.05,22.48 v1(57.15,22.48)
DDR_CKE: length 25.1
  TOP w0.121: v1(67.1,23.16) U12.K9 ; U5.G3 v1(51.32,26.81)
  LYR3 w0.133: v1(67.1,23.16) 67.31,23.37 67.31,24.26 67.18,24.38 64.64,24.38 62.61,26.42 59.44,26.42 57.91,27.94 57.02,27.94 55.88,29.08 53.21,29.08 52.83,29.46 51.18,29.46 51.05,29.34 51.05,29.08 51.18,28.96 51.69,28.96 51.82,28.83 51.82,27.3 v1(51.32,26.81)
  BOTTOM w0.121: R96.2 v1(67.1,23.16)
DDR_CLK: length 24
  TOP w0.095: U12.J7 64.94,24.2 64.74,24.2 63.75,23.22 63.75,19.7 61.58,17.53 57.42,17.53 55.27,19.67 55.27,23.72 53.8,25.2 52.36,25.2 51.98,24.81 U5.D2
DDR_CLKN: length 24
  TOP w0.095: U5.D1 52.63,24.92 53.68,24.92 54.99,23.61 54.99,19.56 57.3,17.25 61.7,17.25 64.03,19.58 64.03,23.1 64.85,23.92 65.37,23.92 65.48,23.82 65.48,23.67 65.37,23.56 U12.K7
DDR_CSN: length 23.9
  TOP w0.121: U5.H2 52.12,28.41 54.65,28.41 56.71,26.35 57.85,26.35 59.44,24.77 59.44,23.44 59.36,23.37 58.88,23.37 58.8,23.29 58.8,22.09 59.05,21.84 59.05,18.41 59.18,18.29 59.31,18.29 59.44,18.41 59.44,21.97 59.18,22.23 59.18,22.78 59.26,22.86 59.49,22.86 59.56,22.78 59.56,22.44 59.64,22.36 60.7,22.36 U12.L2
DDR_D0: length 23.3
  TOP w0.121: v1(62.3,27.97) U12.E3 ; v1(51.32,31.61) U5.M3
  LYR3 w0.133: v1(51.32,31.61) 51.68,31.61 52.96,32.89 60.45,32.89 63.75,29.59 63.75,27.43 63.63,27.3 63.12,27.3 62.99,27.43 62.99,29.72 62.87,29.84 62.43,29.84 62.3,29.72 v1(62.3,27.97)
DDR_D1: length 23.3
  TOP w0.121: v1(65.5,27.17) U12.F7 ; v1(50.52,31.61) U5.M4
  LYR3 w0.121: v1(50.52,31.61) 50.92,31.21 50.92,30.64 51.16,30.41 52.78,30.41 ; v1(65.5,27.17) 65.9,26.77 66.47,26.77 66.7,26.53 66.7,25.74 66.7,25.39 66.47,25.16
  LYR3 w0.133: 52.78,30.41 53.72,29.46 56.26,29.46 56.77,28.96 57.4,28.96 59.6,26.76 62.9,26.76 64.89,24.77 66.08,24.77 66.47,25.16
DDR_D2: length 23.3
  TOP w0.121: U12.F2 61.5,27.17 61.98,27.17 61.98,27.17 62.47,27.17 62.73,27.43 62.73,30.61 61.21,32.13 61.21,33.15 61.09,33.27 54.86,33.27 54.74,33.15 54.74,32.89 54.86,32.77 57.02,32.77 57.15,32.64 57.15,31.75 57.02,31.62 55.88,31.62 55.49,32.01 U5.N1
DDR_D3: length 23.3
  TOP w0.121: v1(66.3,27.17) U12.F8 ; U5.N2 52.12,32.41 55.86,32.41 v1(56.13,32.13)
  BOTTOM w0.121: v1(66.3,27.17) 66.7,27.57 66.7,28.17 66.5,28.37 65.91,28.37 65.58,28.7 64.77,28.7 64.64,28.57 64.64,27.69 64.52,27.56 64.26,27.56 64.14,27.69 64.14,28.57 64.01,28.7 63.75,28.7 63.63,28.57 63.63,27.69 63.5,27.56 63.31,27.56 63.18,27.69 63.18,28.26 62.36,29.08 62.36,30.61 60.83,32.13 v1(56.13,32.13)
DDR_D4: length 23.3
  TOP w0.121: v1(62.36,32.64) 63.37,32.64 64.26,31.75 64.26,25.91 63.52,25.17 U12.H3 ; U5.N3 v1(51.32,32.41)
  LYR3 w0.133: v1(51.32,32.41) 51.33,32.41 52.58,33.66 61.34,33.66 v1(62.36,32.64)
DDR_D5: length 23.3
  TOP w0.121: v1(66.3,25.57) U12.H8 ; U5.N4 v1(50.52,32.41)
  LYR3 w0.121: v1(50.52,32.41) 50.92,32.01 51.57,32.01
  LYR3 w0.133: v1(66.3,25.57) 65.88,25.15 65.15,25.15 64.26,26.04 64.26,29.72 60.71,33.27 52.83,33.27 51.57,32.01
DDR_D6: length 23.3
  TOP w0.121: v1(62.99,32.13) 63.88,31.24 63.88,26.04 63.41,25.56 61.5,25.56 U12.G2 ; U5.P3 v1(51.32,33.21)
  LYR3 w0.133: v1(62.99,32.13) 62.99,32.64 61.59,34.04 52.45,34.04 51.63,33.21 v1(51.32,33.21)
DDR_D7: length 23.3
  TOP w0.121: U5.P4 v1(50.52,33.21) ; v1(65.5,25.57) U12.H7
  LYR3 w0.121: 51.52,33.61 50.92,33.61 v1(50.52,33.21)
  LYR3 w0.133: 51.52,33.61 52.3,34.39 61.87,34.39 64.77,31.5 64.77,26.3 v1(65.5,25.57)
DDR_D8: length 20.3
  TOP w0.121: U12.D7 64.64,27.91 64.64,24.77 62.99,23.11 62.48,23.11 62.36,23.24 62.36,24.64 62.23,24.77 59.94,24.77 59.37,25.34 59.37,26.23 58.86,26.73 56.83,26.73 54.76,28.81 U5.J1
DDR_D9: length 20.3
  TOP w0.121: v1(56.13,29.97) 55.77,29.61 U5.K1 ; v1(61.5,29.57) U12.C3
  LYR3 w0.133: v1(56.13,29.97) 56.52,29.97 56.64,30.1 56.64,32 56.77,32.13 57.53,32.13 57.66,32 57.66,29.84 57.78,29.72 58.29,29.72 58.42,29.84 58.42,32 58.55,32.13 59.05,32.13 59.18,32 59.18,28.83 59.31,28.7 61.37,28.7 61.5,28.83 v1(61.5,29.57)
DDR_D10: length 20.3
  TOP w0.121: v1(66.3,29.57) U12.C8 ; v1(53.85,30.01) 52.12,30.01 U5.K2
  BOTTOM w0.121: v1(66.3,29.57) 65.82,29.08 62.99,29.08 62.74,29.34 62.74,30.73 60.83,32.64 55.75,32.64 55.24,32.13 55.24,29.97 55.12,29.84 54.48,29.84 54.32,30.01 v1(53.85,30.01)
